# Altium PCB A8_multiple.PcbDoc (part 6 of 10)
Units mm, origin at the board's own origin, x right, y up, seen from the top; angles counter-clockwise.
Board outline 140 x 140 mm, 2 copper layers (Top Layer, Bottom Layer); 80 components, 0 nets, 928 pads, 160 vias.
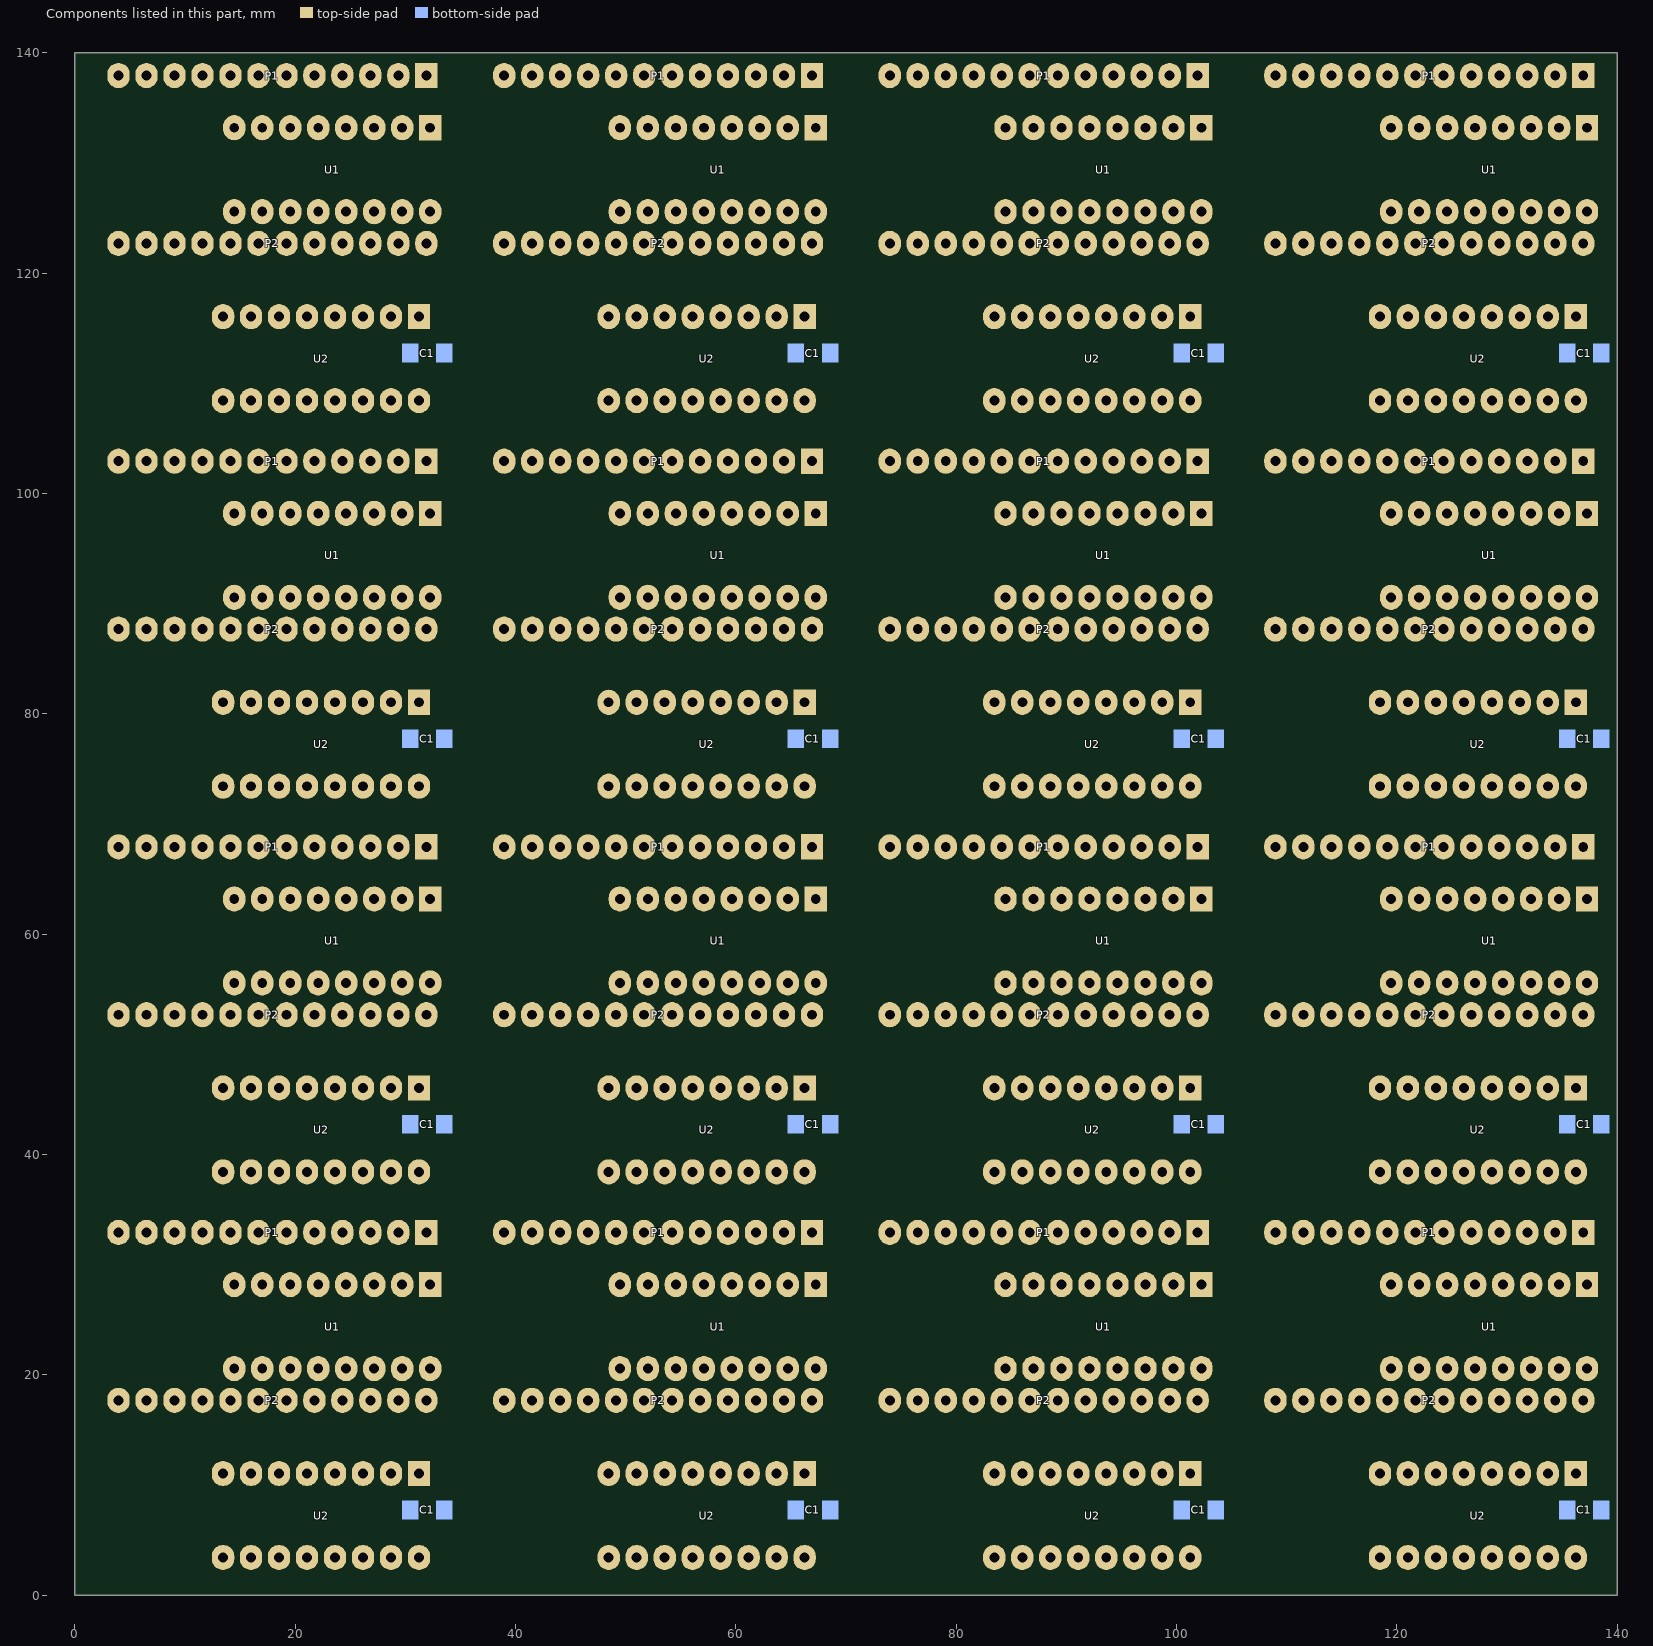
[diagram p6: the components of this part, seen from the top]

## Via types
v1: diameter 2.032, hole 0.711, Top Layer to Bottom Layer, 160 vias

## Nets (pads, with @x,y where several pads share a name; then routed paths per layer and width w, separated by ;. In a path a pad name is that pad's centre, name@x,y a point inside that pad or via, vN(x,y) a via of type N, cw(c..) or ccw(c..) an arc to the next point about the centre after c; other vN are vias at no path point) (continued)
copper on no net: (continued)
  Bottom Layer w0.813: v1@1.474,29.922 cw(c0.127,28.575) 2.032,28.575 ; v1@1.474,64.922 cw(c0.127,63.575) 2.032,63.575 ; v1@1.474,99.922 cw(c0.127,98.575) 2.032,98.575 ; v1@1.474,134.922 cw(c0.127,133.575) 2.032,133.575 ; v1@1.601,23.926 ccw(c0.56,24.967) 2.032,24.967 ccw(c3.504,24.967) v1@2.463,23.926 ; v1@1.601,58.926 ccw(c0.56,59.967) 2.032,59.967 ccw(c3.504,59.967) v1@2.463,58.926 ; v1@1.601,93.926 ccw(c0.56,94.967) 2.032,94.967 ccw(c3.504,94.967) v1@2.463,93.926 ; v1@1.601,128.926 ccw(c0.56,129.967) 2.032,129.967 ccw(c3.504,129.967) v1@2.463,128.926 ; v1(2.032,23.495) 2.032,30.226 2.413,30.607 2.413,31.369 3.975,32.931 ; 2.032,29.188 cw(c3.07,29.188) v1@2.336,29.922 ; v1(2.032,58.495) 2.032,65.226 2.413,65.607 2.413,66.369 3.975,67.931 ; 2.032,64.188 cw(c3.07,64.188) v1@2.336,64.922 ; v1(2.032,93.495) 2.032,100.226 2.413,100.607 2.413,101.369 3.975,102.931 ; 2.032,99.188 cw(c3.07,99.188) v1@2.336,99.922 ; v1(2.032,128.495) 2.032,135.226 2.413,135.607 2.413,136.369 3.975,137.931 ; 2.032,134.188 cw(c3.07,134.188) v1@2.336,134.922 ; v1@2.515,30.353 cw(c5.213,30.353) 3.305,32.261 ; v1@2.515,65.353 cw(c5.213,65.353) 3.305,67.261 ; v1@2.515,100.353 cw(c5.213,100.353) 3.305,102.261 ; v1@2.515,135.353 cw(c5.213,135.353) 3.305,137.261 ; 2.718,31.674 cw(c3.975,30.416) 3.975,32.194 ; 2.718,66.674 cw(c3.975,65.416) 3.975,67.194 ; 2.718,101.674 cw(c3.975,100.416) 3.975,102.194 ; 2.718,136.674 cw(c3.975,135.416) 3.975,137.194 ; 3.024,31.98 ccw(c2.2,32.804) 3.365,32.804 ; 3.024,66.98 ccw(c2.2,67.804) 3.365,67.804 ; 3.024,101.98 ccw(c2.2,102.804) 3.365,102.804 ; 3.024,136.98 ccw(c2.2,137.804) 3.365,137.804 ; v1(7.112,13.208) 9.055,15.151 9.055,17.691 9.055,20.028 v1(8.128,20.955) ; v1@7.112,13.818 ccw(c7.112,15.289) 8.153,14.249 ccw(c9.193,13.208) v1@7.722,13.208 ; v1(7.112,48.208) 9.055,50.151 9.055,52.691 9.055,55.028 v1(8.128,55.955) ; v1@7.112,48.818 ccw(c7.112,50.289) 8.153,49.249 ccw(c9.193,48.208) v1@7.722,48.208 ; v1(7.112,83.208) 9.055,85.151 9.055,87.691 9.055,90.028 v1(8.128,90.955) ; v1@7.112,83.818 ccw(c7.112,85.289) 8.153,84.249 ccw(c9.193,83.208) v1@7.722,83.208 ; v1(7.112,118.208) 9.055,120.151 9.055,122.691 9.055,125.028 v1(8.128,125.955) ; v1@7.112,118.818 ccw(c7.112,120.289) 8.153,119.249 ccw(c9.193,118.208) v1@7.722,118.208 ; v1@7.726,20.497 cw(c5.15,17.562) 9.055,17.562 ; v1@7.726,55.497 cw(c5.15,52.562) 9.055,52.562 ; v1@7.726,90.497 cw(c5.15,87.562) 9.055,87.562 ; v1@7.726,125.497 cw(c5.15,122.562) 9.055,122.562 ; v1@8.262,21.108 cw(c6.725,19.357) 9.055,19.357 ; v1@8.262,56.108 cw(c6.725,54.357) 9.055,54.357 ; v1@8.262,91.108 cw(c6.725,89.357) 9.055,89.357 ; v1@8.262,126.108 cw(c6.725,124.357) 9.055,124.357 ; 8.624,17.133 cw(c7.583,16.092) 9.055,16.092 cw(c10.527,16.092) 9.486,17.133 ; 8.624,18.249 ccw(c7.583,19.29) 9.055,19.29 ccw(c10.527,19.29) 9.486,18.249 ; 8.624,52.133 cw(c7.583,51.092) 9.055,51.092 cw(c10.527,51.092) 9.486,52.133 ; 8.624,53.249 ccw(c7.583,54.29) 9.055,54.29 ccw(c10.527,54.29) 9.486,53.249 ; 8.624,87.133 cw(c7.583,86.092) 9.055,86.092 cw(c10.527,86.092) 9.486,87.133 ; 8.624,88.249 ccw(c7.583,89.29) 9.055,89.29 ccw(c10.527,89.29) 9.486,88.249 ; 8.624,122.133 cw(c7.583,121.092) 9.055,121.092 cw(c10.527,121.092) 9.486,122.133 ; 8.624,123.249 ccw(c7.583,124.29) 9.055,124.29 ccw(c10.527,124.29) 9.486,123.249 ; 13.462,11.049 16.002,11.049 18.542,11.049 v1(18.542,13.335) ; 13.462,46.049 16.002,46.049 18.542,46.049 v1(18.542,48.335) ; 13.462,81.049 16.002,81.049 18.542,81.049 v1(18.542,83.335) ; 13.462,116.049 16.002,116.049 18.542,116.049 v1(18.542,118.335) ; 13.893,10.618 cw(c14.934,9.577) 14.934,11.049 cw(c14.934,12.521) 13.893,11.48 ; 13.893,45.618 cw(c14.934,44.577) 14.934,46.049 cw(c14.934,47.521) 13.893,46.48 ; 13.893,80.618 cw(c14.934,79.577) 14.934,81.049 cw(c14.934,82.521) 13.893,81.48 ; 13.893,115.618 cw(c14.934,114.577) 14.934,116.049 cw(c14.934,117.521) 13.893,116.48 ; 15.571,10.618 ccw(c14.53,9.577) 14.53,11.049 ccw(c14.53,12.521) 15.571,11.48 ; 15.571,45.618 ccw(c14.53,44.577) 14.53,46.049 ccw(c14.53,47.521) 15.571,46.48 ; 15.571,80.618 ccw(c14.53,79.577) 14.53,81.049 ccw(c14.53,82.521) 15.571,81.48 ; 15.571,115.618 ccw(c14.53,114.577) 14.53,116.049 ccw(c14.53,117.521) 15.571,116.48 ; 16.433,10.618 cw(c17.474,9.577) 17.474,11.049 cw(c17.474,12.521) 16.433,11.48 ; 16.433,45.618 cw(c17.474,44.577) 17.474,46.049 cw(c17.474,47.521) 16.433,46.48 ; 16.433,80.618 cw(c17.474,79.577) 17.474,81.049 cw(c17.474,82.521) 16.433,81.48 ; 16.433,115.618 cw(c17.474,114.577) 17.474,116.049 cw(c17.474,117.521) 16.433,116.48 ; 18.111,10.618 ccw(c17.07,9.577) 17.07,11.049 ccw(c17.07,12.521) 18.111,11.48 ; 18.111,11.607 ccw(c17.07,12.648) 18.542,12.648 ccw(c20.014,12.648) 18.973,11.607 ; v1@18.111,12.904 cw(c17.07,11.863) 18.542,11.863 cw(c20.014,11.863) v1@18.973,12.904 ; 18.111,45.618 ccw(c17.07,44.577) 17.07,46.049 ccw(c17.07,47.521) 18.111,46.48 ; 18.111,46.607 ccw(c17.07,47.648) 18.542,47.648 ccw(c20.014,47.648) 18.973,46.607 ; v1@18.111,47.904 cw(c17.07,46.863) 18.542,46.863 cw(c20.014,46.863) v1@18.973,47.904 ; 18.111,80.618 ccw(c17.07,79.577) 17.07,81.049 ccw(c17.07,82.521) 18.111,81.48 ; 18.111,81.607 ccw(c17.07,82.648) 18.542,82.648 ccw(c20.014,82.648) 18.973,81.607 ; v1@18.111,82.904 cw(c17.07,81.863) 18.542,81.863 cw(c20.014,81.863) v1@18.973,82.904 ; 18.111,115.618 ccw(c17.07,114.577) 17.07,116.049 ccw(c17.07,117.521) 18.111,116.48 ; 18.111,116.607 ccw(c17.07,117.648) 18.542,117.648 ccw(c20.014,117.648) 18.973,116.607 ; v1@18.111,117.904 cw(c17.07,116.863) 18.542,116.863 cw(c20.014,116.863) v1@18.973,117.904 ; v1@18.195,12.834 cw(c17.867,12.359) 18.425,12.21 ; v1@18.195,47.834 cw(c17.867,47.359) 18.425,47.21 ; v1@18.195,82.834 cw(c17.867,82.359) 18.425,82.21 ; v1@18.195,117.834 cw(c17.867,117.359) 18.425,117.209 ; v1@18.237,12.807 cw(c17.805,12.059) 18.64,12.282 ; v1@18.237,47.807 cw(c17.805,47.059) 18.64,47.282 ; v1@18.237,82.807 cw(c17.805,82.059) 18.64,82.282 ; v1@18.237,117.807 cw(c17.805,117.058) 18.64,117.282 ; 18.444,12.282 cw(c19.279,12.059) v1@18.847,12.807 ; 18.444,47.282 cw(c19.279,47.059) v1@18.847,47.807 ; 18.444,82.282 cw(c19.279,82.059) v1@18.847,82.807 ; 18.444,117.282 cw(c19.279,117.058) v1@18.847,117.807 ; 18.659,12.209 cw(c19.217,12.359) v1@18.889,12.834 ; 18.659,47.209 cw(c19.217,47.359) v1@18.889,47.834 ; 18.659,82.209 cw(c19.217,82.359) v1@18.889,82.834 ; 18.659,117.209 cw(c19.217,117.359) v1@18.889,117.834 ; 19.127,28.752 ccw(c18.086,29.793) 19.558,29.793 ccw(c21.03,29.793) 19.989,28.752 ; 19.127,63.752 ccw(c18.086,64.793) 19.558,64.793 ccw(c21.03,64.793) 19.989,63.752 ; 19.127,98.752 ccw(c18.086,99.793) 19.558,99.793 ccw(c21.03,99.793) 19.989,98.752 ; 19.127,133.752 ccw(c18.086,134.793) 19.558,134.793 ccw(c21.03,134.793) 19.989,133.752 ; 19.558,28.064 cw(c21.545,28.064) v1@20.608,29.815 ; 19.558,28.194 19.558,29.972 19.685,29.972 v1@20.447,30.734 ; 19.558,29.42 cw(c20.819,29.42) v1@20.224,30.532 ; 19.558,63.064 cw(c21.545,63.064) v1@20.608,64.815 ; 19.558,63.194 19.558,64.972 19.685,64.972 v1@20.447,65.734 ; 19.558,64.42 cw(c20.819,64.42) v1@20.224,65.532 ; 19.558,98.064 cw(c21.545,98.064) v1@20.608,99.815 ; 19.558,98.194 19.558,99.972 19.685,99.972 v1@20.447,100.734 ; 19.558,99.42 cw(c20.819,99.42) v1@20.224,100.532 ; 19.558,133.064 cw(c21.545,133.064) v1@20.608,134.815 ; 19.558,133.194 19.558,134.972 19.685,134.972 v1@20.447,135.734 ; 19.558,134.42 cw(c20.819,134.42) v1@20.224,135.532 ; v1(20.32,30.353) 20.32,30.48 20.447,30.607 v1@20.447,30.734 ; v1(20.32,65.353) 20.32,65.48 20.447,65.607 v1@20.447,65.734 ; v1(20.32,100.353) 20.32,100.48 20.447,100.607 v1@20.447,100.734 ; v1(20.32,135.353) 20.32,135.48 20.447,135.607 v1@20.447,135.734 ; v1@20.574,30.861 v1@20.447,30.734 ; v1@20.574,65.861 v1@20.447,65.734 ; v1@20.574,100.861 v1@20.447,100.734 ; v1@20.574,135.861 v1@20.447,135.734 ; 28.944,17.133 cw(c27.903,16.092) 29.375,16.092 cw(c30.847,16.092) 29.806,17.133 ; 28.944,52.133 cw(c27.903,51.092) 29.375,51.092 cw(c30.847,51.092) 29.806,52.133 ; 28.944,87.133 cw(c27.903,86.092) 29.375,86.092 cw(c30.847,86.092) 29.806,87.133 ; 28.944,122.133 cw(c27.903,121.092) 29.375,121.092 cw(c30.847,121.092) 29.806,122.133 ; 29.375,17.691 29.375,15.329 31.242,13.462 31.242,11.049 ; 29.375,52.691 29.375,50.329 31.242,48.462 31.242,46.049 ; 29.375,87.691 29.375,85.329 31.242,83.462 31.242,81.049 ; 29.375,122.691 29.375,120.329 31.242,118.462 31.242,116.049 ; 30.811,11.607 ccw(c29.77,12.648) 31.242,12.648 ccw(c32.714,12.648) 31.673,11.607 ; 30.811,46.607 ccw(c29.77,47.648) 31.242,47.648 ccw(c32.714,47.648) 31.673,46.607 ; 30.811,81.607 ccw(c29.77,82.648) 31.242,82.648 ccw(c32.714,82.648) 31.673,81.607 ; 30.811,116.607 ccw(c29.77,117.648) 31.242,117.648 ccw(c32.714,117.648) 31.673,116.607 ; 31.484,18.249 ccw(c30.443,19.29) 31.915,19.29 ccw(c33.387,19.29) 32.346,18.249 ; 31.484,53.249 ccw(c30.443,54.29) 31.915,54.29 ccw(c33.387,54.29) 32.346,53.249 ; 31.484,88.249 ccw(c30.443,89.29) 31.915,89.29 ccw(c33.387,89.29) 32.346,88.249 ; 31.484,123.249 ccw(c30.443,124.29) 31.915,124.29 ccw(c33.387,124.29) 32.346,123.249 ; 31.915,17.691 31.915,20.231 32.258,20.574 ; 31.915,18.147 cw(c34.558,18.147) 32.689,20.016 ; 31.915,52.691 31.915,55.231 32.258,55.574 ; 31.915,53.147 cw(c34.558,53.147) 32.689,55.016 ; 31.915,87.691 31.915,90.231 32.258,90.574 ; 31.915,88.147 cw(c34.558,88.147) 32.689,90.016 ; 31.915,122.691 31.915,125.231 32.258,125.574 ; 31.915,123.147 cw(c34.558,123.147) 32.689,125.016 ; v1@36.474,29.922 cw(c35.127,28.575) 37.032,28.575 ; v1@36.474,64.922 cw(c35.127,63.575) 37.032,63.575 ; v1@36.474,99.922 cw(c35.127,98.575) 37.032,98.575 ; v1@36.474,134.922 cw(c35.127,133.575) 37.032,133.575 ; v1@36.601,23.926 ccw(c35.56,24.967) 37.032,24.967 ccw(c38.504,24.967) v1@37.463,23.926 ; v1@36.601,58.926 ccw(c35.56,59.967) 37.032,59.967 ccw(c38.504,59.967) v1@37.463,58.926 ; v1@36.601,93.926 ccw(c35.56,94.967) 37.032,94.967 ccw(c38.504,94.967) v1@37.463,93.926 ; v1@36.601,128.926 ccw(c35.56,129.967) 37.032,129.967 ccw(c38.504,129.967) v1@37.463,128.926 ; v1(37.032,23.495) 37.032,30.226 37.413,30.607 37.413,31.369 38.975,32.931 ; 37.032,29.188 cw(c38.07,29.188) v1@37.336,29.922 ; v1(37.032,58.495) 37.032,65.226 37.413,65.607 37.413,66.369 38.975,67.931 ; 37.032,64.188 cw(c38.07,64.188) v1@37.336,64.922 ; v1(37.032,93.495) 37.032,100.226 37.413,100.607 37.413,101.369 38.975,102.931 ; 37.032,99.188 cw(c38.07,99.188) v1@37.336,99.922 ; v1(37.032,128.495) 37.032,135.226 37.413,135.607 37.413,136.369 38.975,137.931 ; 37.032,134.188 cw(c38.07,134.188) v1@37.336,134.922 ; v1@37.515,30.353 cw(c40.213,30.353) 38.305,32.261 ; v1@37.515,65.353 cw(c40.213,65.353) 38.305,67.261 ; v1@37.515,100.353 cw(c40.213,100.353) 38.305,102.261 ; v1@37.515,135.353 cw(c40.213,135.353) 38.305,137.261 ; 37.718,31.674 cw(c38.975,30.416) 38.975,32.194 ; 37.718,66.674 cw(c38.975,65.416) 38.975,67.194 ; 37.718,101.674 cw(c38.975,100.416) 38.975,102.194 ; 37.718,136.674 cw(c38.975,135.416) 38.975,137.194 ; 38.024,31.98 ccw(c37.2,32.804) 38.365,32.804 ; 38.024,66.98 ccw(c37.2,67.804) 38.365,67.804 ; 38.024,101.98 ccw(c37.2,102.804) 38.365,102.804 ; 38.024,136.98 ccw(c37.2,137.804) 38.365,137.804 ; v1(42.112,13.208) 44.055,15.151 44.055,17.691 44.055,20.028 v1(43.128,20.955) ; v1@42.112,13.818 ccw(c42.112,15.289) 43.153,14.249 ccw(c44.193,13.208) v1@42.722,13.208 ; v1(42.112,48.208) 44.055,50.151 44.055,52.691 44.055,55.028 v1(43.128,55.955) ; v1@42.112,48.818 ccw(c42.112,50.289) 43.153,49.249 ccw(c44.193,48.208) v1@42.722,48.208 ; v1(42.112,83.208) 44.055,85.151 44.055,87.691 44.055,90.028 v1(43.128,90.955) ; v1@42.112,83.818 ccw(c42.112,85.289) 43.153,84.249 ccw(c44.193,83.208) v1@42.722,83.208 ; v1(42.112,118.208) 44.055,120.151 44.055,122.691 44.055,125.028 v1(43.128,125.955) ; v1@42.112,118.818 ccw(c42.112,120.289) 43.153,119.249 ccw(c44.193,118.208) v1@42.722,118.208 ; v1@42.726,20.497 cw(c40.15,17.562) 44.055,17.562 ; v1@42.726,55.497 cw(c40.15,52.562) 44.055,52.562 ; v1@42.726,90.497 cw(c40.15,87.562) 44.055,87.562 ; v1@42.726,125.497 cw(c40.15,122.562) 44.055,122.562 ; v1@43.262,21.108 cw(c41.725,19.357) 44.055,19.357 ; v1@43.262,56.108 cw(c41.725,54.357) 44.055,54.357 ; v1@43.262,91.108 cw(c41.725,89.357) 44.055,89.357 ; v1@43.262,126.108 cw(c41.725,124.357) 44.055,124.357 ; 43.624,17.133 cw(c42.583,16.092) 44.055,16.092 cw(c45.527,16.092) 44.486,17.133 ; 43.624,18.249 ccw(c42.583,19.29) 44.055,19.29 ccw(c45.527,19.29) 44.486,18.249 ; 43.624,52.133 cw(c42.583,51.092) 44.055,51.092 cw(c45.527,51.092) 44.486,52.133 ; 43.624,53.249 ccw(c42.583,54.29) 44.055,54.29 ccw(c45.527,54.29) 44.486,53.249 ; 43.624,87.133 cw(c42.583,86.092) 44.055,86.092 cw(c45.527,86.092) 44.486,87.133 ; 43.624,88.249 ccw(c42.583,89.29) 44.055,89.29 ccw(c45.527,89.29) 44.486,88.249 ; 43.624,122.133 cw(c42.583,121.092) 44.055,121.092 cw(c45.527,121.092) 44.486,122.133 ; 43.624,123.249 ccw(c42.583,124.29) 44.055,124.29 ccw(c45.527,124.29) 44.486,123.249 ; 48.462,11.049 51.002,11.049 53.542,11.049 v1(53.542,13.335) ; 48.462,46.049 51.002,46.049 53.542,46.049 v1(53.542,48.335) ; 48.462,81.049 51.002,81.049 53.542,81.049 v1(53.542,83.335) ; 48.462,116.049 51.002,116.049 53.542,116.049 v1(53.542,118.335) ; 48.893,10.618 cw(c49.934,9.577) 49.934,11.049 cw(c49.934,12.521) 48.893,11.48 ; 48.893,45.618 cw(c49.934,44.577) 49.934,46.049 cw(c49.934,47.521) 48.893,46.48 ; 48.893,80.618 cw(c49.934,79.577) 49.934,81.049 cw(c49.934,82.521) 48.893,81.48 ; 48.893,115.618 cw(c49.934,114.577) 49.934,116.049 cw(c49.934,117.521) 48.893,116.48 ; 50.571,10.618 ccw(c49.53,9.577) 49.53,11.049 ccw(c49.53,12.521) 50.571,11.48 ; 50.571,45.618 ccw(c49.53,44.577) 49.53,46.049 ccw(c49.53,47.521) 50.571,46.48 ; 50.571,80.618 ccw(c49.53,79.577) 49.53,81.049 ccw(c49.53,82.521) 50.571,81.48 ; 50.571,115.618 ccw(c49.53,114.577) 49.53,116.049 ccw(c49.53,117.521) 50.571,116.48 ; 51.433,10.618 cw(c52.474,9.577) 52.474,11.049 cw(c52.474,12.521) 51.433,11.48 ; 51.433,45.618 cw(c52.474,44.577) 52.474,46.049 cw(c52.474,47.521) 51.433,46.48 ; 51.433,80.618 cw(c52.474,79.577) 52.474,81.049 cw(c52.474,82.521) 51.433,81.48 ; 51.433,115.618 cw(c52.474,114.577) 52.474,116.049 cw(c52.474,117.521) 51.433,116.48 ; 53.111,10.618 ccw(c52.07,9.577) 52.07,11.049 ccw(c52.07,12.521) 53.111,11.48 ; 53.111,11.607 ccw(c52.07,12.648) 53.542,12.648 ccw(c55.014,12.648) 53.973,11.607 ; v1@53.111,12.904 cw(c52.07,11.863) 53.542,11.863 cw(c55.014,11.863) v1@53.973,12.904 ; 53.111,45.618 ccw(c52.07,44.577) 52.07,46.049 ccw(c52.07,47.521) 53.111,46.48 ; 53.111,46.607 ccw(c52.07,47.648) 53.542,47.648 ccw(c55.014,47.648) 53.973,46.607 ; v1@53.111,47.904 cw(c52.07,46.863) 53.542,46.863 cw(c55.014,46.863) v1@53.973,47.904 ; 53.111,80.618 ccw(c52.07,79.577) 52.07,81.049 ccw(c52.07,82.521) 53.111,81.48 ; 53.111,81.607 ccw(c52.07,82.648) 53.542,82.648 ccw(c55.014,82.648) 53.973,81.607 ; v1@53.111,82.904 cw(c52.07,81.863) 53.542,81.863 cw(c55.014,81.863) v1@53.973,82.904 ; 53.111,115.618 ccw(c52.07,114.577) 52.07,116.049 ccw(c52.07,117.521) 53.111,116.48 ; 53.111,116.607 ccw(c52.07,117.648) 53.542,117.648 ccw(c55.014,117.648) 53.973,116.607 ; v1@53.111,117.904 cw(c52.07,116.863) 53.542,116.863 cw(c55.014,116.863) v1@53.973,117.904 ; v1@53.195,12.834 cw(c52.867,12.359) 53.425,12.21 ; v1@53.195,47.834 cw(c52.867,47.359) 53.425,47.21 ; v1@53.195,82.834 cw(c52.867,82.359) 53.425,82.21 ; v1@53.195,117.834 cw(c52.867,117.359) 53.425,117.209 ; v1@53.237,12.807 cw(c52.805,12.059) 53.64,12.282 ; v1@53.237,47.807 cw(c52.805,47.059) 53.64,47.282 ; v1@53.237,82.807 cw(c52.805,82.059) 53.64,82.282 ; v1@53.237,117.807 cw(c52.805,117.058) 53.64,117.282 ; 53.444,12.282 cw(c54.279,12.059) v1@53.847,12.807 ; 53.444,47.282 cw(c54.279,47.059) v1@53.847,47.807 ; 53.444,82.282 cw(c54.279,82.059) v1@53.847,82.807 ; 53.444,117.282 cw(c54.279,117.058) v1@53.847,117.807 ; 53.659,12.209 cw(c54.217,12.359) v1@53.889,12.834 ; 53.659,47.209 cw(c54.217,47.359) v1@53.889,47.834 ; 53.659,82.209 cw(c54.217,82.359) v1@53.889,82.834 ; 53.659,117.209 cw(c54.217,117.359) v1@53.889,117.834 ; 54.127,28.752 ccw(c53.086,29.793) 54.558,29.793 ccw(c56.03,29.793) 54.989,28.752 ; 54.127,63.752 ccw(c53.086,64.793) 54.558,64.793 ccw(c56.03,64.793) 54.989,63.752 ; 54.127,98.752 ccw(c53.086,99.793) 54.558,99.793 ccw(c56.03,99.793) 54.989,98.752 ; 54.127,133.752 ccw(c53.086,134.793) 54.558,134.793 ccw(c56.03,134.793) 54.989,133.752 ; 54.558,28.064 cw(c56.545,28.064) v1@55.608,29.815 ; 54.558,28.194 54.558,29.972 54.685,29.972 v1@55.447,30.734 ; 54.558,29.42 cw(c55.819,29.42) v1@55.224,30.532 ; 54.558,63.064 cw(c56.545,63.064) v1@55.608,64.815 ; 54.558,63.194 54.558,64.972 54.685,64.972 v1@55.447,65.734 ; 54.558,64.42 cw(c55.819,64.42) v1@55.224,65.532 ; 54.558,98.064 cw(c56.545,98.064) v1@55.608,99.815 ; 54.558,98.194 54.558,99.972 54.685,99.972 v1@55.447,100.734 ; 54.558,99.42 cw(c55.819,99.42) v1@55.224,100.532 ; 54.558,133.064 cw(c56.545,133.064) v1@55.608,134.815 ; 54.558,133.194 54.558,134.972 54.685,134.972 v1@55.447,135.734 ; 54.558,134.42 cw(c55.819,134.42) v1@55.224,135.532 ; v1(55.32,30.353) 55.32,30.48 55.447,30.607 v1@55.447,30.734 ; v1(55.32,65.353) 55.32,65.48 55.447,65.607 v1@55.447,65.734 ; v1(55.32,100.353) 55.32,100.48 55.447,100.607 v1@55.447,100.734 ; v1(55.32,135.353) 55.32,135.48 55.447,135.607 v1@55.447,135.734 ; v1@55.574,30.861 v1@55.447,30.734 ; v1@55.574,65.861 v1@55.447,65.734 ; v1@55.574,100.861 v1@55.447,100.734 ; v1@55.574,135.861 v1@55.447,135.734 ; 63.944,17.133 cw(c62.903,16.092) 64.375,16.092 cw(c65.847,16.092) 64.806,17.133 ; 63.944,52.133 cw(c62.903,51.092) 64.375,51.092 cw(c65.847,51.092) 64.806,52.133 ; 63.944,87.133 cw(c62.903,86.092) 64.375,86.092 cw(c65.847,86.092) 64.806,87.133 ; 63.944,122.133 cw(c62.903,121.092) 64.375,121.092 cw(c65.847,121.092) 64.806,122.133 ; 64.375,17.691 64.375,15.329 66.242,13.462 66.242,11.049 ; 64.375,52.691 64.375,50.329 66.242,48.462 66.242,46.049 ; 64.375,87.691 64.375,85.329 66.242,83.462 66.242,81.049 ; 64.375,122.691 64.375,120.329 66.242,118.462 66.242,116.049 ; 65.811,11.607 ccw(c64.77,12.648) 66.242,12.648 ccw(c67.714,12.648) 66.673,11.607 ; 65.811,46.607 ccw(c64.77,47.648) 66.242,47.648 ccw(c67.714,47.648) 66.673,46.607 ; 65.811,81.607 ccw(c64.77,82.648) 66.242,82.648 ccw(c67.714,82.648) 66.673,81.607 ; 65.811,116.607 ccw(c64.77,117.648) 66.242,117.648 ccw(c67.714,117.648) 66.673,116.607 ; 66.484,18.249 ccw(c65.443,19.29) 66.915,19.29 ccw(c68.387,19.29) 67.346,18.249 ; 66.484,53.249 ccw(c65.443,54.29) 66.915,54.29 ccw(c68.387,54.29) 67.346,53.249 ; 66.484,88.249 ccw(c65.443,89.29) 66.915,89.29 ccw(c68.387,89.29) 67.346,88.249 ; 66.484,123.249 ccw(c65.443,124.29) 66.915,124.29 ccw(c68.387,124.29) 67.346,123.249 ; 66.915,17.691 66.915,20.231 67.258,20.574 ; 66.915,18.147 cw(c69.558,18.147) 67.689,20.016 ; 66.915,52.691 66.915,55.231 67.258,55.574 ; 66.915,53.147 cw(c69.558,53.147) 67.689,55.016 ; 66.915,87.691 66.915,90.231 67.258,90.574 ; 66.915,88.147 cw(c69.558,88.147) 67.689,90.016 ; 66.915,122.691 66.915,125.231 67.258,125.574 ; 66.915,123.147 cw(c69.558,123.147) 67.689,125.016 ; v1@71.474,29.922 cw(c70.127,28.575) 72.032,28.575 ; v1@71.474,64.922 cw(c70.127,63.575) 72.032,63.575 ; v1@71.474,99.922 cw(c70.127,98.575) 72.032,98.575 ; v1@71.474,134.922 cw(c70.127,133.575) 72.032,133.575 ; v1@71.601,23.926 ccw(c70.56,24.967) 72.032,24.967 ccw(c73.504,24.967) v1@72.463,23.926 ; v1@71.601,58.926 ccw(c70.56,59.967) 72.032,59.967 ccw(c73.504,59.967) v1@72.463,58.926 ; v1@71.601,93.926 ccw(c70.56,94.967) 72.032,94.967 ccw(c73.504,94.967) v1@72.463,93.926 ; v1@71.601,128.926 ccw(c70.56,129.967) 72.032,129.967 ccw(c73.504,129.967) v1@72.463,128.926 ; v1(72.032,23.495) 72.032,30.226 72.413,30.607 72.413,31.369 73.975,32.931 ; 72.032,29.188 cw(c73.07,29.188) v1@72.336,29.922 ; v1(72.032,58.495) 72.032,65.226 72.413,65.607 72.413,66.369 73.975,67.931 ; 72.032,64.188 cw(c73.07,64.188) v1@72.336,64.922 ; v1(72.032,93.495) 72.032,100.226 72.413,100.607 72.413,101.369 73.975,102.931 ; 72.032,99.188 cw(c73.07,99.188) v1@72.336,99.922 ; v1(72.032,128.495) 72.032,135.226 72.413,135.607 72.413,136.369 73.975,137.931 